# Allegro board FEE5_10_30.brd (continued)
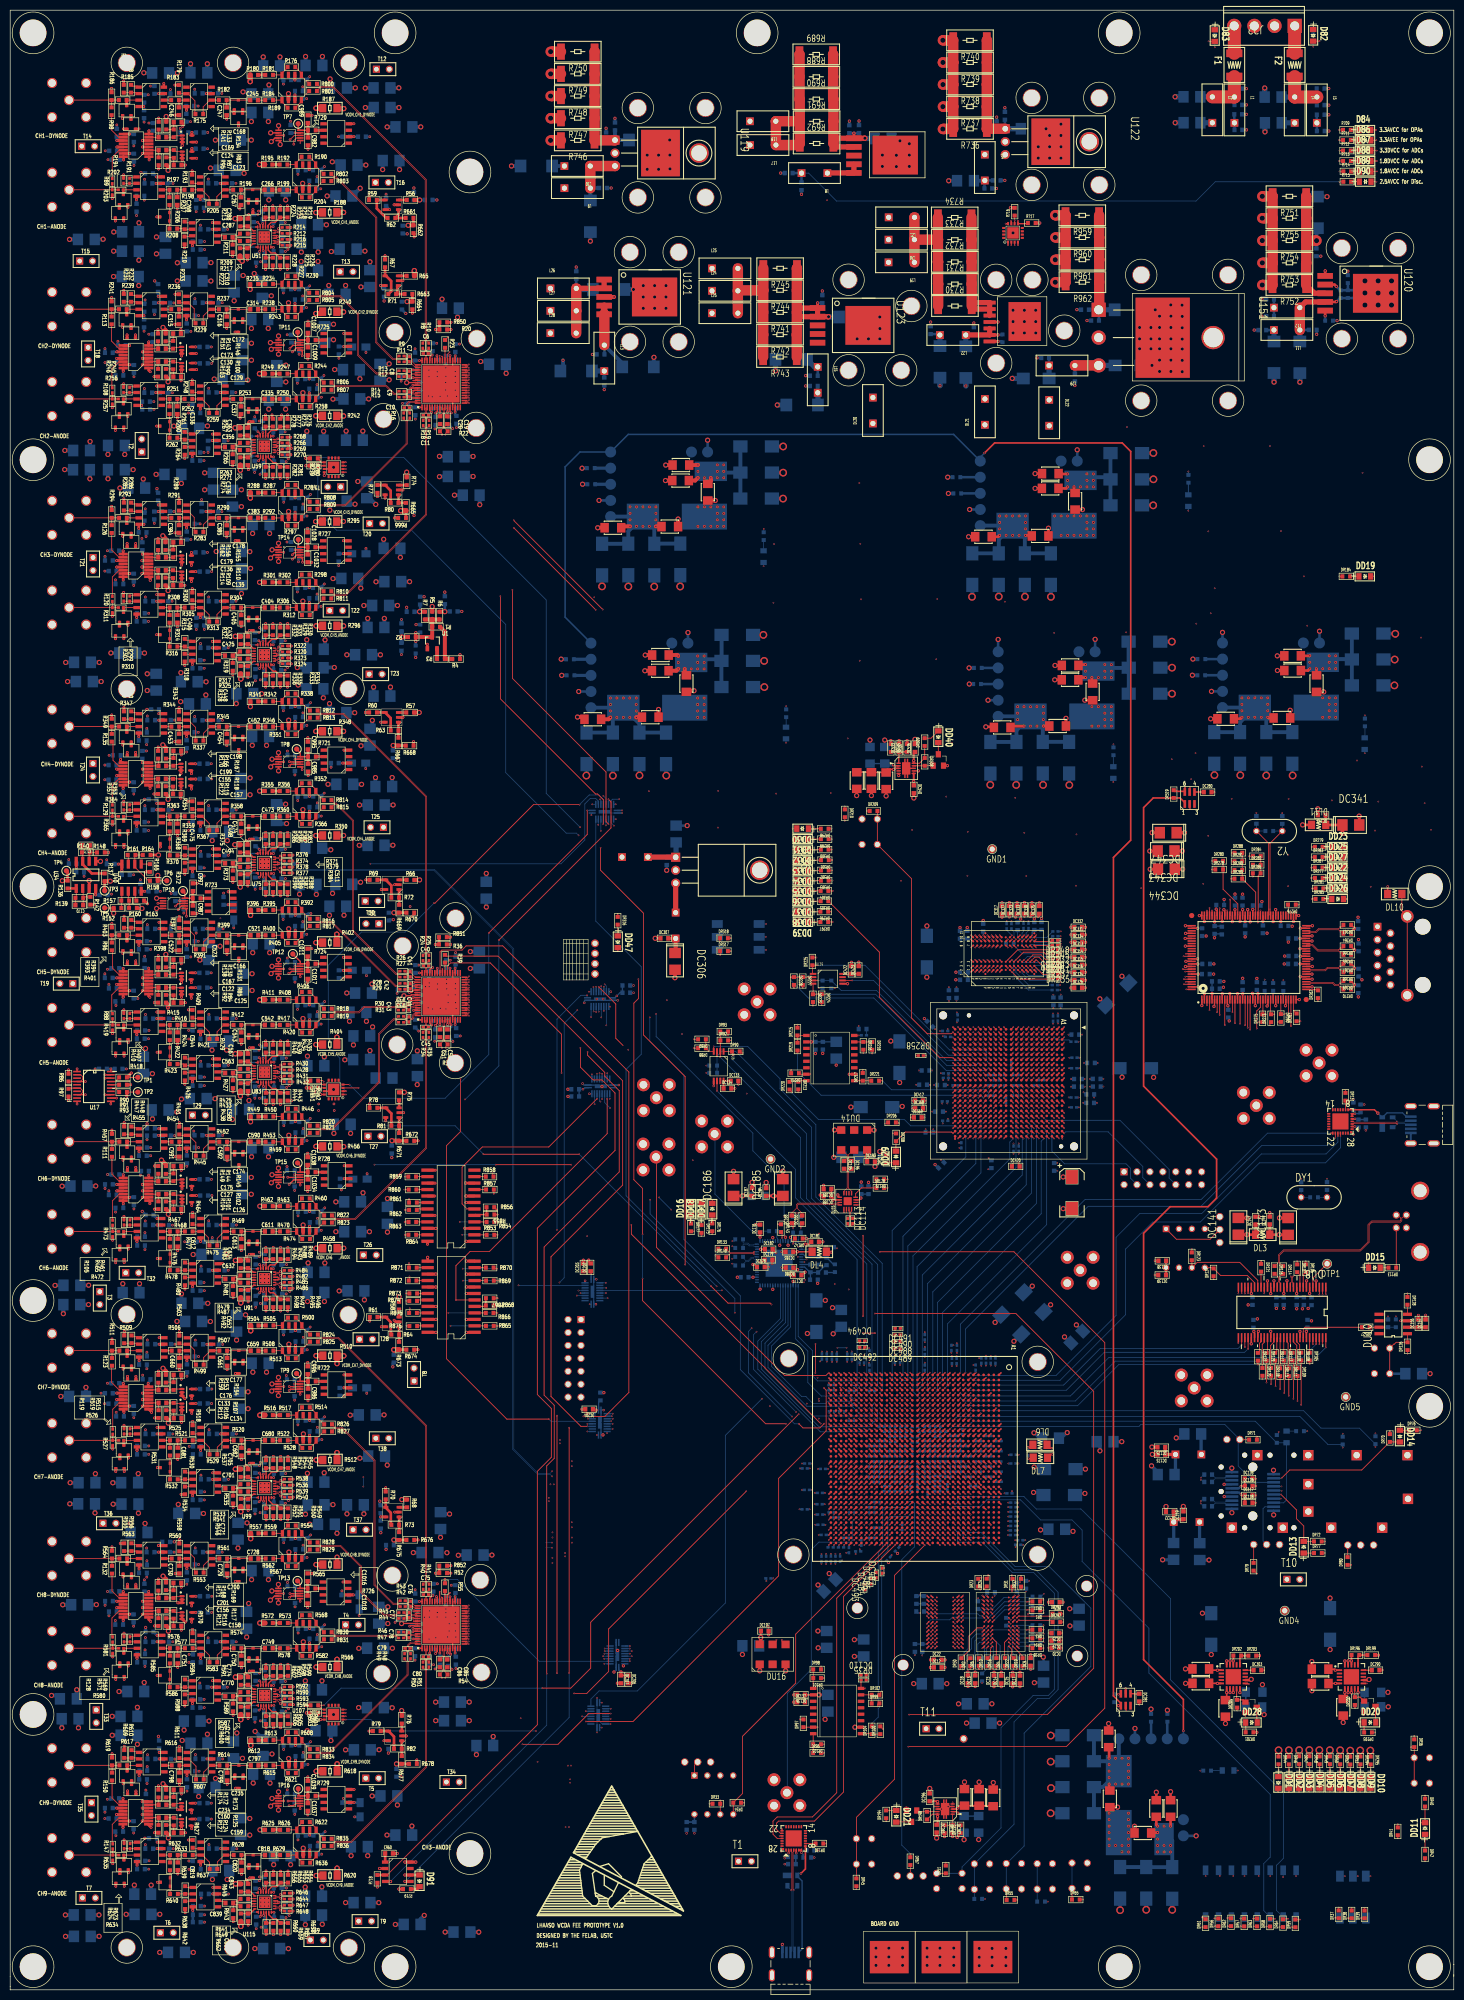
[diagram p0: board, top side]
## Routing (per net, layer and track width the routed paths; a pad name or vN(x,y) marks a point on that pad's centre or on a via; arc(x,y) is an arc through that point) (continued)
3.3AVEE: length 368.7
  TOP w0.152: D86.2 v1(268.38,363.19)
  TOP w0.254: U91.15 v3(49.76,137.06) ; U91.4 v3(49.71,142.25) ; v3(49.78,95.97) 49.78,96.05 49.77,96.06 U99.15 ; v3(49.71,259.49) 49.71,259.56 49.71,259.56 U67.15 ; v3(49.69,341.53) 49.68,341.55 U51.15 ; U67.4 49.66,264.73 49.66,264.73 v3(49.66,264.8) ; U107.4 v3(49.71,60.45) ; v3(49.62,346.84) 49.62,346.76 49.63,346.75 U51.4 ; U115.15 49.78,14.63 49.79,14.63 v3(49.79,14.61) ; v3(49.69,300.46) 49.69,300.66 49.69,300.67 U59.15 ; U83.15 v3(49.74,177.4) ; v3(49.64,305.77) 49.64,305.67 49.64,305.66 U59.4 ; U75.4 v3(49.67,223.83) ; U75.15 v3(49.72,218.5) ; U107.15 v3(49.77,55.15) ; U83.4 v3(49.69,182.9) ; U115.4 v3(49.73,19.9) ; U99.4 v3(49.72,101.28)
  TOP w0.406: U47.4 24.8,352.16 24.8,351.64 v3(24.8,351.49)
  TOP w0.508: v3(58.8,234.37) 58.8,235.35 U71.6 ; U90.4 v3(35.83,138.06) ; v3(20.94,115.91) 20.95,115.91 20.96,115.9 U26.13 ; U92.4 v3(25.32,123.54) ; U113.4 v3(24.92,24.49) ; U114.4 v3(35.87,15.59) ; U80.4 37.38,187.61 37.38,187.61 v3(37.38,187.5) ; U105.6 v3(58.82,70.94) ; v3(25.94,240.98) 27.2,240.98 U30.8 ; U22.13 21.05,320.36 21.05,320.36 v3(20.92,320.36) ; v3(35.81,219.51) 35.81,220.21 U74.4 ; U45.4 34.63,369.79 v3(34.63,369.1) ; v3(20.94,156.88) 21.15,156.88 21.15,156.88 U23.13 ; v3(20.9,34.42) 20.96,34.42 20.97,34.42 U36.13 ; U40.4 v3(26.45,215.72) ; v3(35.8,342.47) 35.8,343.12 U50.4 ; v3(58.73,357.39) 58.73,357.51 U49.6 ; U112.6 v3(58.84,30.39) ; v3(27.26,365.03) 27.26,365.03 27.26,364.41 U18.8 ; U84.4 v3(25.31,164.56) ; v3(16.79,215) 16.79,215.09 16.79,215.1 U34.4 ; v3(58.77,193.4) 58.77,194.39 U81.6 ; v3(27.1,119.08) 27.1,118.57 U26.8 ; U103.4 24.91,65.25 24.91,65.25 v3(24.91,65.1) ; v3(26.28,287.76) U60.4 v3(25.26,286.97) ; v3(27.22,323.6) 27.22,323.37 27.22,323.37 U22.8 ; v3(35.81,178.28) 35.81,178.41 35.81,178.41 U82.4 ; U22.9 v3(23.46,322.9) ; U30.9 21.95,240.97 21.69,241.23 v3(21.69,241.6) ; v3(26.24,369.8) 25.23,369.8 U44.4 ; U18.9 23.46,364.4 v3(23.47,364.41) ; U78.6 v3(55.99,211.01) ; U58.4 v3(35.76,301.05) ; U62.6 55.97,293.98 v3(55.97,292.97) ; U14.8 v3(27.22,200.61) ; U53.4 v3(34.63,327.92) ; U66.4 v3(35.78,260.28) ; v3(56.03,48.01) 56.03,48.05 56.04,48.05 U110.6 ; U61.4 34.66,287.75 34.65,287.23 v3(34.65,287.06) ; v3(25.95,281.93) 25.96,281.92 U28.8 ; U65.4 v3(37.35,269.45) ; U73.4 v3(37.36,228.47) ; U106.4 v3(35.81,56.22) ; v3(55.94,333.94) 55.94,334.01 55.94,334.02 U54.6 ; U55.4 24.84,311.1 v3(25.85,311.1) ; U14.13 21.14,197.43 21.14,197.44 v3(20.92,197.44) ; U98.4 v3(35.85,97.01) ; U28.9 v3(22.19,282.55) ; U70.6 v3(55.97,251.98) ; U30.13 21.06,238.43 21.05,238.43 v3(20.92,238.43) ; U100.4 v3(25.32,82.65) ; U76.4 v3(25.29,205.11) ; v3(37.32,351.49) 37.32,352.19 U48.4 ; U52.4 v3(26.28,328.73) ; U93.4 v3(34.71,123.53) ; U79.4 24.88,187.59 24.88,187.59 v3(24.88,187.57) ; U31.8 27.22,77.58 v3(27.22,78.21) ; U88.4 v3(37.4,146.95) ; U23.8 v3(27.23,159.98) ; v3(37.32,310.42) 37.33,310.43 37.33,310.67 U57.4 ; U36.9 v3(22.17,37.59) ; U101.6 v3(56.02,88.62) ; v3(22.2,119.08) 22.2,119.02 22.21,119.02 U26.9 ; U89.6 v3(58.81,152.85) ; v3(25.33,42.11) 25.33,42.26 25.33,42.26 U109.4 ; U86.6 v3(56.01,170.46) ; U64.4 v3(24.85,269.47) ; U72.4 v3(24.86,228.46) ; U102.4 v3(34.71,82.71) ; U18.13 21.17,361.86 21.16,361.87 v3(20.95,361.87) ; U85.4 v3(34.7,164.57) ; U87.4 24.9,147.09 24.9,147.09 v3(24.9,146.94) ; U97.6 v3(58.83,111.82) ; U96.4 v3(37.41,105.92) ; U95.4 24.91,106.03 24.91,106.03 v3(24.91,105.92) ; v3(55.94,375.01) 55.94,376.01 U46.6 ; U23.9 22.2,159.42 v3(22.2,160.05) ; v3(22.2,78.21) 22.2,78.06 22.2,78.05 U31.9 ; v3(20.93,75.04) 21.15,75.04 21.15,75.04 U31.13 ; U14.9 v3(22.19,200.59) ; U63.6 v3(58.76,275.35) ; U111.4 v3(37.42,24.49) ; U68.4 v3(25.27,246.08) ; U69.4 v3(34.66,246.12) ; U94.6 v3(56.03,129.44) ; U28.13 v3(20.92,279.38) ; U36.8 26.05,36.96 26.05,36.96 v3(25.92,36.96) ; U108.4 v3(34.72,42.1) ; U77.4 v3(34.68,205.11) ; U104.4 v3(37.41,65.08) ; U56.6 v3(58.74,316.3)
  BOTTOM w0.508: C692.1 37.42,105.92 v3(37.41,105.92) 37.4,105.94 37.4,106.66 C693.1 ; C814.1 25.39,42.16 v3(25.33,42.11) 25.35,42.09 C815.1 ; C831.1 37.43,24.49 v3(37.42,24.49) 37.4,24.52 C830.1 ; C560.1 24.88,188.3 v3(24.88,187.57) 24.89,187.56 C561.1 ; C368.1 35.77,301.04 v3(35.76,301.05) 35.77,301.06 C367.1 ; C241.2 20.91,197.43 v3(20.92,197.44) ; C331.1 55.97,333.96 v3(55.94,333.94) 55.91,333.96 C332.1 ; C417.1 37.35,269.45 v3(37.35,269.45) 37.32,269.42 C416.1 ; C674.1 25.33,123.54 v3(25.32,123.54) 25.32,123.54 C675.1 ; v3(49.69,182.9) 49.69,183.47 C574.1 ; C575.1 49.74,176.67 v3(49.74,177.4) ; C413.1 58.72,275.31 v3(58.76,275.35) 58.8,275.31 C414.1 ; C398.1 55.99,292.94 v3(55.97,292.97) 55.94,292.94 C399.1 ; v3(16.79,215) 16.81,214.98 C164.2 ; C689.1 58.8,111.79 v3(58.83,111.82) 58.88,111.77 C690.1 ; v3(27.1,119.08) 27.1,119.18 27.55,119.64 C792.1 ; C242.2 22.17,160.09 v3(22.2,160.05) ; C609.1 25.3,164.55 v3(25.31,164.56) 25.32,164.58 C608.1 ; C782.1 49.77,54.52 v3(49.77,55.15) ; C740.1 34.71,82.72 v3(34.71,82.71) 34.7,82.71 C741.1 ; C539.1 56.02,210.99 v3(55.99,211.01) 55.97,210.99 C538.1 ; C743.1 56.01,88.61 v3(56.02,88.62) 56.03,88.61 C744.1 ; C759.1 58.87,70.89 v3(58.82,70.94) 58.77,70.9 C758.1 ; C434.1 49.95,259.26 v3(49.71,259.49) ; C348.1 37.35,310.4 v3(37.32,310.42) 37.37,310.47 C347.1 ; C503.1 v3(35.81,219.51) C502.1 ; C298.1 v3(49.62,346.84) ; C263.1 55.97,375.03 v3(55.94,375.01) 55.91,375.03 C264.1 ; C850.1 49.96,20.12 v3(49.73,19.9) ; C240.2 22.19,200.59 v3(22.19,200.59) ; v3(49.76,137.06) 49.76,136.52 C644.1 ; C258.1 26.24,369.12 v3(26.24,369.8) 26.24,370.54 C257.1 ; C402.1 v3(25.26,286.97) ; v3(27.22,200.61) 27.17,200.66 C239.2 ; C534.1 25.29,205.11 v3(25.29,205.11) 25.29,205.12 C533.1 ; C328.1 34.63,328.68 v3(34.63,327.92) 34.63,327.23 C329.1 ; C230.2 28.04,323.6 v3(27.22,323.6) ; C491.1 24.88,228.49 v3(24.86,228.46) 24.86,228.46 C492.1 ; v3(49.79,14.61) 50.11,14.28 C851.1 ; v3(22.17,37.59) 22.16,37.6 C585.1 ; C630.1 24.94,146.9 v3(24.9,146.94) 24.94,146.99 C629.1 ; C723.1 v3(20.93,75.04) ; C515.1 248.26,330.31 L12.2 248.26,330.32 C445.1 ; C709.1 v3(35.85,97.01) 35.85,97.74 C710.1 ; v3(26.28,287.76) 26.28,288.4 C401.1 ; C554.1 37.38,187.5 v3(37.38,187.5) 37.39,187.49 C555.1 ; C228.2 23.46,322.9 v3(23.46,322.9) ; C698.1 24.92,105.91 v3(24.91,105.92) 24.93,105.94 C699.1 ; v3(49.78,95.97) 49.78,95.33 C713.1 ; C810.1 34.73,42.09 v3(34.72,42.1) ; C260.1 34.63,369.88 v3(34.63,369.1) 34.63,368.38 C261.1 ; C551.1 58.74,193.37 v3(58.77,193.4) 58.8,193.37 C552.1 ; C345.1 58.73,316.31 v3(58.74,316.3) 58.77,316.33 C344.1 ; C827.1 58.77,30.32 v3(58.84,30.39) 58.91,30.32 C828.1 ; C469.1 25.27,246.83 v3(25.27,246.08) 25.28,246.07 C470.1 ; v3(22.19,282.55) 21.42,282.55 C231.2 ; C677.1 56.01,129.43 v3(56.03,129.44) 56.03,129.43 C678.1 ; v3(49.67,223.83) 49.67,224.29 C505.1 ; C229.2 20.93,320.36 v3(20.92,320.36) ; C605.1 55.99,170.45 v3(56.01,170.46) 56.77,170.46 C606.1 ; C722.1 20.89,34.41 v3(20.9,34.42) ; C284.1 24.8,350.73 v3(24.8,351.49) 24.8,352.22 C285.1 ; C767.1 24.96,65.15 v3(24.91,65.1) 24.94,65.06 C768.1 ; C467.1 55.96,251.97 v3(55.97,251.98) 55.98,251.97 C468.1 ; C927.2 248.23,325.91 L11.2 ; C535.1 34.73,205.16 v3(34.68,205.11) 34.68,205.1 C536.1 ; C226.2 28.06,365.03 v3(27.26,365.03) ; C224.2 26.46,215.71 v3(26.45,215.72) 25.63,215.72 C223.2 ; C243.2 27.24,159.99 v3(27.23,159.98) ; C465.1 34.65,246.11 v3(34.66,246.12) 34.66,246.9 C464.1 ; C395.1 34.66,287.82 34.66,287.06 v3(34.65,287.06) 34.65,286.34 C396.1 ; C506.1 49.93,218.29 v3(49.72,218.5) ; C568.1 35.85,178.32 v3(35.81,178.28) 35.84,178.26 C569.1 ; C423.1 24.85,269.47 v3(24.85,269.47) 24.9,269.53 C422.1 ; v3(20.95,361.87) 20.95,361.14 C225.2 ; C483.1 58.82,234.35 v3(58.8,234.37) 58.78,234.34 C482.1 ; C745.1 25.33,82.67 v3(25.32,82.65) 25.31,82.65 C746.1 ; C433.1 49.66,265.4 v3(49.66,264.8) ; C485.1 37.37,228.46 v3(37.36,228.47) 37.41,228.52 C486.1 ; C292.1 35.8,343.26 v3(35.8,342.47) 35.8,341.79 C293.1 ; C781.1 49.98,60.72 v3(49.71,60.45) ; v3(20.94,115.91) 20.94,115.18 C860.1 ; C861.1 22.16,119.12 v3(22.2,119.08) ; C775.1 35.81,56.21 v3(35.81,56.22) 35.79,56.23 C776.1 ; C236.2 20.92,237.65 v3(20.92,238.43) ; v3(49.69,300.46) 49.82,300.34 C365.1 ; v3(27.22,78.21) 26.39,78.21 C654.1 ; C624.1 38.1,146.95 v3(37.4,146.95) 36.65,146.95 C623.1 ; C602.1 34.72,164.59 v3(34.7,164.57) 34.7,164.56 C603.1 ; C712.1 49.72,101.8 v3(49.72,101.28) ; C620.1 58.76,152.79 v3(58.81,152.85) 58.85,152.81 C621.1 ; C653.1 26.61,36.96 v3(25.92,36.96) ; C837.1 24.93,24.48 v3(24.92,24.49) 24.92,25.26 C836.1 ; C643.1 49.99,142.54 v3(49.71,142.25) ; C278.1 36.56,351.49 v3(37.32,351.49) 38.06,351.49 C279.1 ; C640.1 35.82,138.07 v3(35.83,138.06) 35.84,138.06 C641.1 ; C353.1 25.85,311.79 v3(25.85,311.1) 25.85,310.44 C354.1 ; C672.1 34.72,123.52 v3(34.71,123.53) 34.7,123.55 C671.1 ; C276.1 58.11,357.39 v3(58.73,357.39) 59.44,357.39 C275.1 ; v3(20.94,156.88) 20.94,156.11 C244.2 ; C238.2 25.94,241.73 v3(25.94,240.98) ; C847.1 35.91,15.63 v3(35.87,15.59) 35.89,15.57 C848.1 35.88,14.72 C165.2 ; v3(22.2,78.21) 21.46,78.21 C791.1 ; C326.1 26.28,329.47 v3(26.28,328.73) 26.3,328.71 C327.1 ; C233.2 25.95,282.69 v3(25.95,281.93) ; v3(49.69,341.53) 49.97,341.26 49.97,340.87 C299.1 ; v3(21.69,241.6) 21.69,242.4 C237.2 ; C437.1 35.81,260.25 v3(35.78,260.28) 35.8,260.3 C436.1 ; C232.2 20.92,278.61 20.92,279.37 v3(20.92,279.38) ; C761.1 37.41,65.07 v3(37.41,65.08) 37.41,65.82 C762.1 ; C812.1 56.03,48.01 v3(56.03,48.01) 56.05,48.02 C813.1 ; v3(23.47,364.41) 24.26,364.41 C227.2 ; C364.1 v3(49.64,305.77)
  BOTTOM w0.762: v5(54.15,319.03) 53.86,319.03 53.86,319.03 C783.2 ; v5(22.12,138.66) 22.12,138.57 22.1,138.54 C493.2 ; v5(40.08,316.3) 41.72,316.3 C333.2 ; v5(63.59,168.18) 63.59,168.43 63.58,168.43 C471.2 ; v5(66.16,93.46) 66.16,93.63 66.18,93.66 C418.2 ; C424.2 73.35,284.68 73.37,284.7 v5(73.37,284.83) ; v5(37.27,202.21) 37.48,202.21 37.49,202.22 C556.2 ; v5(47.52,199.53) 47.25,199.53 47.24,199.53 C400.2 ; C349.2 46.63,117.41 46.66,117.43 v5(46.73,117.43) ; v5(46.85,75.87) 46.85,74.64 C346.2 ; v5(26.15,296.67) 26.15,295.25 C576.2 ; v5(47.08,282.41) 46.9,282.41 46.86,282.45 C777.2 ; v5(69.77,369.61) 69.8,369.61 69.8,369.6 C711.2 ; C838.2 32.91,339.15 32.9,339.13 v5(32.83,339.13) ; v5(65.99,306.08) 65.99,305.96 65.97,305.94 C607.2 ; C472.2 9.11,57.8 v5(8.12,57.8) ; v5(20.22,95.37) 20.37,95.37 20.39,95.38 C334.2 ; C852.2 20.52,345.2 20.5,345.18 v5(20.34,345.18) ; C625.2 26.98,258.43 26.97,258.42 v5(26.92,258.42) ; v5(20.3,336.43) 20.8,336.43 20.8,336.43 C829.2 ; v5(47.42,163.58) 47.42,163.66 47.43,163.67 C540.2 ; v5(75.66,12.84) 75.78,12.84 75.78,12.83 C397.2 ; C484.2 51.77,24.66 51.76,24.64 v5(51.76,24.57) ; v5(63.32,215.3) 63.32,216.52 C504.2 ; v5(65.88,17.13) 65.89,17.12 C259.2 ; C487.2 70.21,269.25 70.23,269.27 v5(70.23,269.3) ; v5(50.79,310.38) 50.79,310.56 50.79,310.57 C570.2 ; C862.2 49.92,332.64 v5(51.3,332.64) ; v5(10.15,51.45) 10.15,51.67 10.12,51.7 C642.2 ; C330.2 38.26,297.89 38.25,297.88 v5(38.2,297.88) ; v5(11.71,95.43) 12.02,95.43 12.03,95.43 C435.2 ; v5(63.97,154.72) 63.98,154.72 63.99,154.73 C447.2 ; v5(33.48,252.95) 34.68,252.95 C700.2 ; C631.2 62.79,290.85 62.79,290.85 v5(62.79,290.54) ; C742.2 11.03,260.67 11.01,260.65 v5(10.9,260.65) ; C747.2 19.83,262.5 19.82,262.5 v5(19.78,262.5) ; C645.2 45.65,323.32 v5(47.4,323.32) ; C691.2 68.32,296.2 68.31,296.19 v5(68.29,296.19) ; C724.2 69.09,244.33 69.05,244.28 v5(68.91,244.28) ; v5(45.76,336.63) 45.59,336.63 45.58,336.62 C714.2 ; C760.2 64.92,358.32 64.29,358.95 v5(63.27,358.95) ; C517.2 50.05,46.31 v5(51.44,46.31) ; v5(47.39,326.24) 47.39,326.39 47.38,326.4 C793.2 ; C415.2 33.02,95.12 33.02,95.12 v5(33.02,95.32) ; v5(67.43,185.53) 67.43,185.73 67.42,185.73 C537.2 ; v5(66.11,195.74) 66.44,195.74 66.44,195.74 C562.2 ; C816.2 46.98,372.69 v5(45.74,372.69) ; C748.2 28.96,297.58 28.95,297.58 v5(28.67,297.58) ; C811.2 47.4,366.98 47.38,366.96 v5(47.38,366.86) ; C403.2 62.71,211.2 62.71,211.19 v5(62.71,211) ; v5(47.65,203.65) 47.65,203.91 47.65,203.91 C673.2 ; C553.2 39.7,225.88 39.69,225.86 v5(39.69,225.66) ; v5(62.58,334.67) 62.58,334.42 62.58,334.42 C763.2 ; C622.2 68.9,232.66 68.9,232.65 v5(68.61,232.65) ; C655.2 34.11,51.21 34.16,51.16 v5(34.16,51) ; v5(65.88,47.12) 66.03,47.12 66.04,47.11 C507.2 ; v5(48.06,8.1) 48.16,8.1 48.16,8.1 C366.2 ; v5(63.74,318.16) 63.89,318.16 63.91,318.14 C769.2 ; v5(10.84,14.71) 11.07,14.71 11.08,14.71 C379.2 ; v5(73.17,357.42) 73.17,357.66 73.18,357.67 C849.2 ; v5(46.53,91.69) 46.39,91.69 46.38,91.7 C355.2 ; C604.2 47.64,286.15 47.62,286.14 v5(47.62,285.97) ; C694.2 19.2,297 19.21,296.99 v5(19.21,296.72) ; C369.2 26.59,183.63 26.59,184.62 v5(26.59,184.85) ; v5(10.33,75.61) 10.75,75.61 10.76,75.61 C679.2 ; C466.2 v5(66.13,262.16) ; C541.2 33.36,307.06 v5(32.15,307.06) ; C438.2 v5(33.64,136.65) ; C676.2 40.33,363.24 v5(40.31,363.22) ; C610.2 v5(85.44,11.34) ; C832.2 v5(20.32,341.41) ; C817.2 v5(62.84,375.23)
  BOTTOM w1.016: C926.2 248.27,325.92 L11.2
  vias: v3(49.15,344.95) v3(49.15,344.19) v3(49.15,343.43) v3(49.17,303.88) v3(49.17,303.12) v3(49.17,302.35) v3(49.2,262.93) v3(49.2,262.17) v3(49.2,261.41) v3(49.2,221.92) v3(49.2,221.15) v3(49.2,220.39) v3(49.22,180.99) v3(49.22,180.23) v3(49.22,179.47) v3(49.22,140.42) v3(49.22,139.66) v3(49.22,138.9) v3(49.24,99.39) v3(49.24,98.62) v3(49.24,97.86) v3(49.23,58.61) v3(49.23,57.85) v3(49.23,57.09) v3(49.22,17.97) v3(49.22,17.21) v3(49.22,16.44) v3(49.91,344.95) v3(49.91,344.19) v3(49.91,343.43) v3(49.93,303.88) v3(49.93,303.12) v3(49.93,302.35) v3(49.96,262.93) v3(49.96,262.17) v3(49.96,261.41) v3(49.96,221.92) v3(49.96,221.15) v3(49.96,220.39) v3(49.98,180.99) v3(49.98,180.23) v3(49.98,179.47) v3(49.98,140.42) v3(49.98,139.66) v3(49.98,138.9) v3(50,99.39) v3(50,98.62) v3(50,97.86) v3(49.99,58.61) v3(49.99,57.85) v3(49.99,57.09) v3(49.98,17.97) v3(49.98,17.21) v3(49.98,16.44) v3(50.67,344.95) v3(50.67,344.19) v3(50.67,343.43) v3(50.69,303.88) v3(50.69,303.12) v3(50.69,302.35) v3(50.72,262.93) v3(50.72,262.17) v3(50.72,261.41) v3(50.72,221.92) v3(50.72,221.15) v3(50.72,220.39) v3(50.74,180.99) v3(50.74,180.23) v3(50.74,179.47) v3(50.75,140.42) v3(50.75,139.66) v3(50.75,138.9) v3(50.76,99.39) v3(50.76,98.62) v3(50.76,97.86) v3(50.75,58.61) v3(50.75,57.85) v3(50.75,57.09) v3(50.75,17.97) v3(50.75,17.21) v3(50.75,16.44)
3.3DVCC_ADC: length 110
  TOP w0.152: R712.1 v1(261.13,361.15)
  TOP w0.254: v1(195.54,346.82) 195.64,346.82 195.65,346.81 U125.12 ; R867.1 v1(95.74,135.8) ; R855.1 v1(95.78,152.23)
  TOP w0.508: v8(89.32,149.54) 89.34,149.52 U148.3 ; U148.15 83.44,158.41 v1(83.45,158.41) ; v8(89.61,140.54) 89.76,140.54 89.76,140.54 U149.10 ; U148.22 v8(83.62,149.52) ; U149.3 89.71,131.65 89.71,131.65 v8(89.61,131.65) ; v8(196.48,349.92) 196.77,349.92 196.78,349.92 R716.2 ; R717.2 202.04,346.93 v8(202.25,346.93) ; v8(83.64,131.67) 83.54,131.67 83.53,131.65 U149.22 ; v8(89.45,158.43) 89.47,158.43 89.49,158.41 U148.10 ; U149.15 83.42,140.54 83.43,140.55 v8(83.64,140.55)
  S5 w0.152: v1(261.13,361.15) 246.01,361.15 236.41,351.55 197.02,351.55 188.19,360.37 185.63,360.37
  BOTTOM w0.508: 191.41,355.24 191.38,355.21 C938.2 ; L29.2 204.07,318.96 C1106.1 ; C940.2 191.48,355.3 L14.2
  BOTTOM w0.762: C937.1 191.41,355.24 L14.2
  BOTTOM w1.016: L29.2 204.09,318.94 C1105.1
5AVCC_IN: length 65.5
  TOP w2.032: v4(106.15,363.16) 106.41,363.16 106.41,363.16 R746.1 ; v4(183.23,374.13) 183.24,374.14 R738.1 ; R748.1 106.42,371.87 106.41,371.87 v4(106.15,371.87) ; R961.1 207.33,339.72 R962.1 205.66,335.31 205.65,335.31 v4(205.3,335.31) ; R961.1 205.57,339.73 205.57,339.72 v4(205.29,339.72) ; R961.1 207.32,344.08 R960.1 ; R737.1 185.24,374.12 R738.1 ; R737.1 183.38,369.79 183.38,369.79 v4(183.21,369.79) ; R737.1 R736.1 183.41,365.42 183.38,365.39 v4(183.21,365.39) ; R738.1 R739.1 ; v4(183.21,382.81) 183.33,382.81 183.34,382.81 R740.1 185.24,378.47 R739.1 ; R960.1 207.32,348.43 R959.1 205.41,348.45 205.39,348.47 v4(205.27,348.47) ; R960.1 205.57,344.08 205.55,344.1 v4(205.29,344.1) ; R747.1 106.25,367.51 106.25,367.51 v4(106.16,367.51) ; R739.1 183.24,378.46 v4(183.23,378.46) ; v4(106.17,380.59) 106.52,380.59 R750.1 ; R749.1 106.35,376.22 106.34,376.22 v4(106.17,376.22)
  BOTTOM w0.152: R708.1 v1(236.64,381.43)
  BOTTOM w0.508: C888.1 240.46,366.63 L1.2 240.5,366.59 C889.1
  BOTTOM w1.016: L2.2 236.14,366.63 C887.1
5AVEE_IN: length 34.6
  TOP w0.152: D82.2 257.2,382.65 v1(257.2,382.65)
  TOP w2.032: v4(245.94,334.77) 246.08,334.77 246.09,334.77 R752.1 247.97,339.08 R753.1 ; R754.1 246.09,343.48 246.08,343.49 v4(245.96,343.49) ; R754.1 247.99,347.87 R755.1 ; R754.1 248,343.47 R753.1 ; R753.1 246.2,339.11 246.2,339.12 v4(245.97,339.12) ; v4(245.96,352.18) 246.17,352.18 246.18,352.18 R751.1 247.98,352.18 R755.1 ; v4(245.95,347.89) 246.28,347.89 246.29,347.87 R755.1
  BOTTOM w0.508: C900.1 256.67,366.61 L5.2 256.69,366.6 C901.1
  BOTTOM w1.016: L4.2 252.32,366.61 C899.2
/LVDS_ADC1_CLK: length 203.5
  TOP w0.102: v1(84.83,305.34) 84.83,305.4 84.87,305.44 84.87,305.58 R22.2 85.08,306.68 85.08,306.9 84.51,307.46 C20.2
  S3 w0.102: v1(141.86,146.01) 141.86,146.16 141.63,146.4 112.94,146.4 91.28,168.05 91.28,288.42 88.67,291.03 88.67,298.7 85.45,301.93 85.06,302.32 85.06,305.02 85.06,305.11 85.05,305.12 v1(84.83,305.34)
  BOTTOM w0.102: v1(141.86,146.01) 142.33,146.01 142.43,145.91 DR170.1
/LVDS_ADC2_CLK: length 83.8
  TOP w0.102: v1(84.8,184.95) 84.8,185.24 R38.2 85.01,186.22 85.01,186.55 84.48,187.07 C51.2 ; v1(138.56,144.17) 139,144.17 139.12,144.05 DR140.1
  S3 w0.102: v1(138.56,144.17) 138.18,144.55 108.87,144.55 85.06,168.35 85.06,184.69 v1(84.8,184.95)
/LVDS_ADC3_CLK: length 111.4
  TOP w0.102: C86.2 84.91,62.86 84.91,62.44 R54.2 84.39,61.87 84.81,61.45 v1(84.81,61.23)
  S1 w0.102: v1(84.81,61.23) 85.04,61.01 85.04,60.75 85.37,60.42 86.07,60.42 121.02,95.36 121.02,122.75 141.2,142.93 141.49,142.93 v1(141.83,142.59)
  BOTTOM w0.102: DR151.1 142.43,142.31 142.15,142.59 v1(141.83,142.59)
/SYNC_DAC1: length 112.5
  TOP w0.152: DU4.Y25 v1(174.79,96.32)
  S2 w0.152: v1(174.79,96.32) 174.22,96.89 174.22,104.46 174.07,104.61 160.34,104.61 116.36,148.59 116.36,174.83 v1(116.28,174.92)
  BOTTOM w0.152: DU17.15 v1(116.28,174.92)
/SYNC_DAC1_BUF: length 212
  TOP w0.152: U128.6 v1(56.99,362.65)
  S2 w0.152: v1(56.99,362.65) 58.2,362.65 114.11,306.74 114.11,246.44 110.87,243.21 110.87,184.9 v1(115.78,180)
  BOTTOM w0.152: v1(115.78,180) DU17.5
/SYNC_DAC2: length 80.4
  TOP w0.152: DU4.AA27 v1(173.79,94.32)
  S4 w0.152: v1(117.01,136.83) 153.11,100.72 173.97,100.72 174.19,100.5 174.19,94.72 v1(173.79,94.32)
  BOTTOM w0.152: DU21.6 v1(117.01,136.83)
/SYNC_DAC2_BUF: length 216.7
  TOP w0.254: U136.6 57.12,321.96 57.38,321.71 57.38,320.88 v3(57.37,320.87)
  S2 w0.152: v3(57.37,320.87) 62.53,320.87 68.54,314.87 72.22,314.87 83.66,303.44 86.56,303.44 106.39,283.61 106.39,141.25 v1(111.31,136.33)
  BOTTOM w0.152: DU21.14 112.93,136.33 v1(111.31,136.33)
/SYNC_DAC3: length 71.4
  TOP w0.152: DU4.AB29 v1(172.79,92.32)
  S5 w0.152: v1(116.74,66.01) 116.94,66.01 128.15,77.22 159.63,77.22 169.29,86.88 169.29,91.53 169.62,91.87 172.33,91.87 v1(172.79,92.32)
  BOTTOM w0.152: DU24.6 v1(116.74,66.01)
/SYNC_DAC3_BUF: length 257.4
  TOP w0.254: U142.6 57.17,281.27 57.43,281.02 57.43,280.33 v3(57.44,280.32)
  S2 w0.152: v3(57.44,280.32) 57.46,280.32 58.77,279 82.9,279 104.84,257.06 104.84,101.9 122.1,84.64 122.1,66.52 v1(122.1,66.51)
  BOTTOM w0.152: v1(122.1,66.51) 122.08,66.53 120.76,66.53 DU24.14
/SYNC_DAC4: length 71
  TOP w0.152: DU4.AB31 v1(172.79,90.32)
  S5 w0.152: 172.79,90.35 v1(172.79,90.32) 172.27,90.85 170.47,90.85 170.32,90.7 170.32,86.94 159.57,76.2 127.89,76.2 v1(116.7,65.01)
  BOTTOM w0.152: DU24.4 v1(116.7,65.01)
/SYNC_DAC4_BUF: length 211.4
  TOP w0.254: v3(57.35,239.59) 57.36,239.6 57.36,239.96 57.17,240.15 U129.6
  S2 w0.152: v1(122.1,65.5) 121.52,65.5 114.47,72.55 114.47,88.97 102.98,100.46 102.98,207.63 75.31,235.31 66,235.31 61.72,239.59 v3(57.35,239.59)
  BOTTOM w0.152: v1(122.1,65.5) 122.08,65.51 120.74,65.51 DU24.16
/SYNC_DAC5: length 85.5
  TOP w0.152: DU4.W28 v1(175.79,93.32)
  S4 w0.152: v1(117.01,138.83) 152.96,102.88 176.02,102.88 176.26,102.64 176.26,93.79 v1(175.79,93.32)
  BOTTOM w0.152: DU21.2 v1(117.01,138.83)
/SYNC_DAC5_BUF: length 98.3
  TOP w0.254: v3(56.98,198.95) 56.98,199.06 56.98,199.07 U137.6
  S2 w0.152: v3(56.98,198.95) 56.98,198.06 57.13,197.91 69.25,185.79 71.12,185.79 74.53,182.38 83.46,182.38 99.08,166.77 99.08,139.1 v1(99.85,138.33)
  BOTTOM w0.152: DU21.18 v1(99.85,138.33)
/SYNC_DAC6: length 71.4
  TOP w0.152: DU4.AC29 v1(171.79,92.32)
  S5 w0.152: v1(171.79,92.32) 171.27,92.85 168.54,92.85 168.32,92.63 168.32,86.95 159.68,78.31 127.24,78.31 116.78,67.84 v1(116.78,67.02)
  BOTTOM w0.152: v1(116.78,67.02) 116.78,67.01 DU24.8
/SYNC_DAC6_BUF: length 211.6
  TOP w0.254: U143.6 56.97,158.16 56.97,158.16 v3(56.97,158.02)
  S3 w0.152: v1(121.72,67.51) 121.21,67.51 86.96,33.26 58.25,33.26 55.47,36.04 55.47,50.48 56.1,51.11 56.1,63.79 54.27,65.62 54.27,78.43 56.73,80.89 56.73,105.35 54.99,107.09 54.99,116.26 59.26,120.53 59.26,127.47 56.45,130.27 56.45,150.66 55.69,151.43 55.69,155.53 56.97,156.81 v3(56.97,158.02)
  BOTTOM w0.152: DU24.12 121.63,67.51 121.63,67.51 v1(121.72,67.51)
/SYNC_DAC7: length 87.5
  TOP w0.152: DU4.V31 v1(176.79,90.32)
  S4 w0.152: v1(176.79,90.32) 176.33,90.79 175.47,90.79 175.29,90.97 175.29,101.68 175.14,101.84 153.09,101.84 v1(117.1,137.83)
  BOTTOM w0.152: DU21.4 v1(117.1,137.83)
/SYNC_DAC7_BUF: length 67
  TOP w0.254: U130.6 v3(56.97,116.94)
  S3 w0.152: v1(111.64,137.32) 107.83,137.32 85.55,115.03 57.97,115.03 56.97,116.04 v3(56.97,116.94)
  BOTTOM w0.152: DU21.16 112.92,137.32 v1(111.64,137.32)
/SYNC_DAC8: length 72.1
  TOP w0.152: DU4.AA29 v1(173.79,92.32)
  S3 w0.152: v1(115.24,108.95) 121.32,102.87 172.91,102.87 173.19,102.59 173.19,92.79 173.65,92.32 v1(173.79,92.32)
  BOTTOM w0.152: DU20.11 115.56,108.95 v1(115.24,108.95)
/SYNC_DAC8_BUF: length 76.1
  TOP w0.254: v3(56.97,76.29) 56.97,76.35 56.96,76.36 U138.6
  S3 w0.152: v1(117.27,109.32) 116.95,109.64 114.71,109.64 114.02,108.95 97.87,108.95 71.55,82.63 71.55,80.84 67,76.29 v3(56.97,76.29)
  BOTTOM w0.152: DU20.9 v1(117.27,109.32)
/SYNC_DAC9: length 81
  TOP w0.152: DU4.W30 v1(175.79,91.32)
  S3 w0.152: v1(175.79,91.32) 175.76,91.32 175.27,91.81 175.27,104.06 174.72,104.61 128.61,104.61 119.36,113.85 117.92,113.85 117.02,112.95 114.29,112.95 v1(113.5,112.16)
  BOTTOM w0.152: DU20.17 114.34,112.16 v1(113.5,112.16)
/SYNC_DAC9_BUF: length 120.9
  TOP w0.254: U144.6 56.97,35.66 56.96,35.65 v3(56.96,35.56)
  S3 w0.152: v3(56.96,35.56) 56.96,64.38 55.12,66.22 55.12,76.12 60.53,81.53 67.14,81.53 97.13,111.52 117.06,111.52 v1(118.17,112.64)
  BOTTOM w0.152: DU20.3 v1(118.17,112.64)
/SYNC_DAC_CALIB: length 68.6
  TOP w0.152: DU4.AA25 v1(173.79,96.32)
  S2 w0.152: v1(113.39,111.14) 116.32,111.14 116.88,110.58 141.29,110.58 152.92,98.94 167.72,98.94 168.41,98.26 168.41,98.16 169.67,96.9 169.81,96.9 170.41,96.3 170.41,96.15 170.6,95.96 170.62,95.96 170.63,95.94 173.41,95.94 v1(173.79,96.32)
  BOTTOM w0.152: v1(113.39,111.14) DU20.15
/SYNC_DAC_CALIB_BUF: length 0.8
  BOTTOM w0.152: DU20.5 v1(118.08,111.64)
A7_CCLK: length 62.1
  TOP w0.152: v1(167.96,59.18) 167.95,59.19 DU7.16 167.14,60.83 DR35.2 ; DU4.W11 v1(175.79,111.19)
  S3 w0.152: v1(175.79,111.19) 176.32,110.66 177.15,110.66 177.62,110.19 177.62,91.17 177.32,90.87 176.67,90.87 176.35,90.54 176.35,87.03 175.78,86.46 173.41,86.46 167.96,81.01 v1(167.96,59.18)
A7_CLK_125M_N: length 39.5
  TOP w0.102: v1(163.77,152.71) 163.78,152.71 DU15.1 ; DU4.AF5 v1(168.79,117.19)
  S1 w0.102: v1(163.77,152.71) 163.77,152.59 163.92,152.44 163.92,144.12 169.18,138.85 169.18,117.58 v1(168.79,117.19)
  BOTTOM w0.102: DR69.2 168.78,117.2 v1(168.79,117.19)
A7_CLK_125M_P: length 39.5
  TOP w0.102: DU4.AE5 v1(169.79,117.19) ; DU15.2 v1(164.28,152.71)
  S1 w0.102: v1(164.28,152.71) 164.28,152.59 164.13,152.45 164.13,144.21 169.4,138.94 169.4,117.58 v1(169.79,117.19)
  BOTTOM w0.102: v1(169.79,117.19) 169.8,117.19 DR69.1
A7_CLK_200M_N: length 46.6
  TOP w0.102: v1(151.57,68.73) 151.57,68.72 151.57,68.5 152.25,67.82 DU16.4 ; DU4.Y31 v1(174.79,90.32)
  S1 w0.102: v1(151.57,68.73) 151.57,68.73 151.16,69.15 151.16,87.83 154.04,90.71 163.5,90.71 163.51,90.71 163.98,90.71 163.99,90.71 174.4,90.71 v1(174.79,90.32)
  BOTTOM w0.102: DR66.1 175.16,90.29 174.82,90.29 v1(174.79,90.32)
A7_CLK_200M_P: length 46.9
  TOP w0.102: DU4.Y30 v1(174.79,91.32) ; v1(150.53,68.73) 150.53,68.73 150.53,68.5 149.85,67.82 DU16.5
  S1 w0.102: v1(174.79,91.32) 174.4,90.93 163.9,90.93 163.89,90.93 163.6,90.93 163.59,90.93 153.95,90.93 150.94,87.92 150.94,69.15 v1(150.53,68.73)
  BOTTOM w0.102: v1(174.79,91.32) 175.17,91.32 DR66.2
A7_DDR3_A0: length 66
  TOP w0.152: DU1.K3 v1(181.66,69.47) ; DU4.U25 v1(178.65,96.32) ; DU2.K3 v1(192.58,69.47)
  S1 w0.152: v1(181.66,69.47) 181.25,69.89 177.79,69.89 174.77,72.91 174.77,79.17 174.62,79.32 173,79.32 172.85,79.47 172.85,79.78 173,79.93 174.62,79.93 174.77,80.08 174.77,80.39 174.62,80.54 173,80.54 172.85,80.69 172.85,81 173,81.15 174.62,81.15 174.77,81.3 174.77,81.61 174.62,81.76 173,81.76 172.85,81.91 172.85,82.22 173,82.37 174.62,82.37 174.77,82.52 174.77,82.83 174.62,82.98 173,82.98 172.85,83.13 172.85,83.44 173,83.59 174.62,83.59 174.77,83.74 174.77,84.42 177.76,87.42 177.76,95.43 v1(178.65,96.32)